# Altium PCB mdriver_power.PcbDoc (part 2 of 5) (continued)
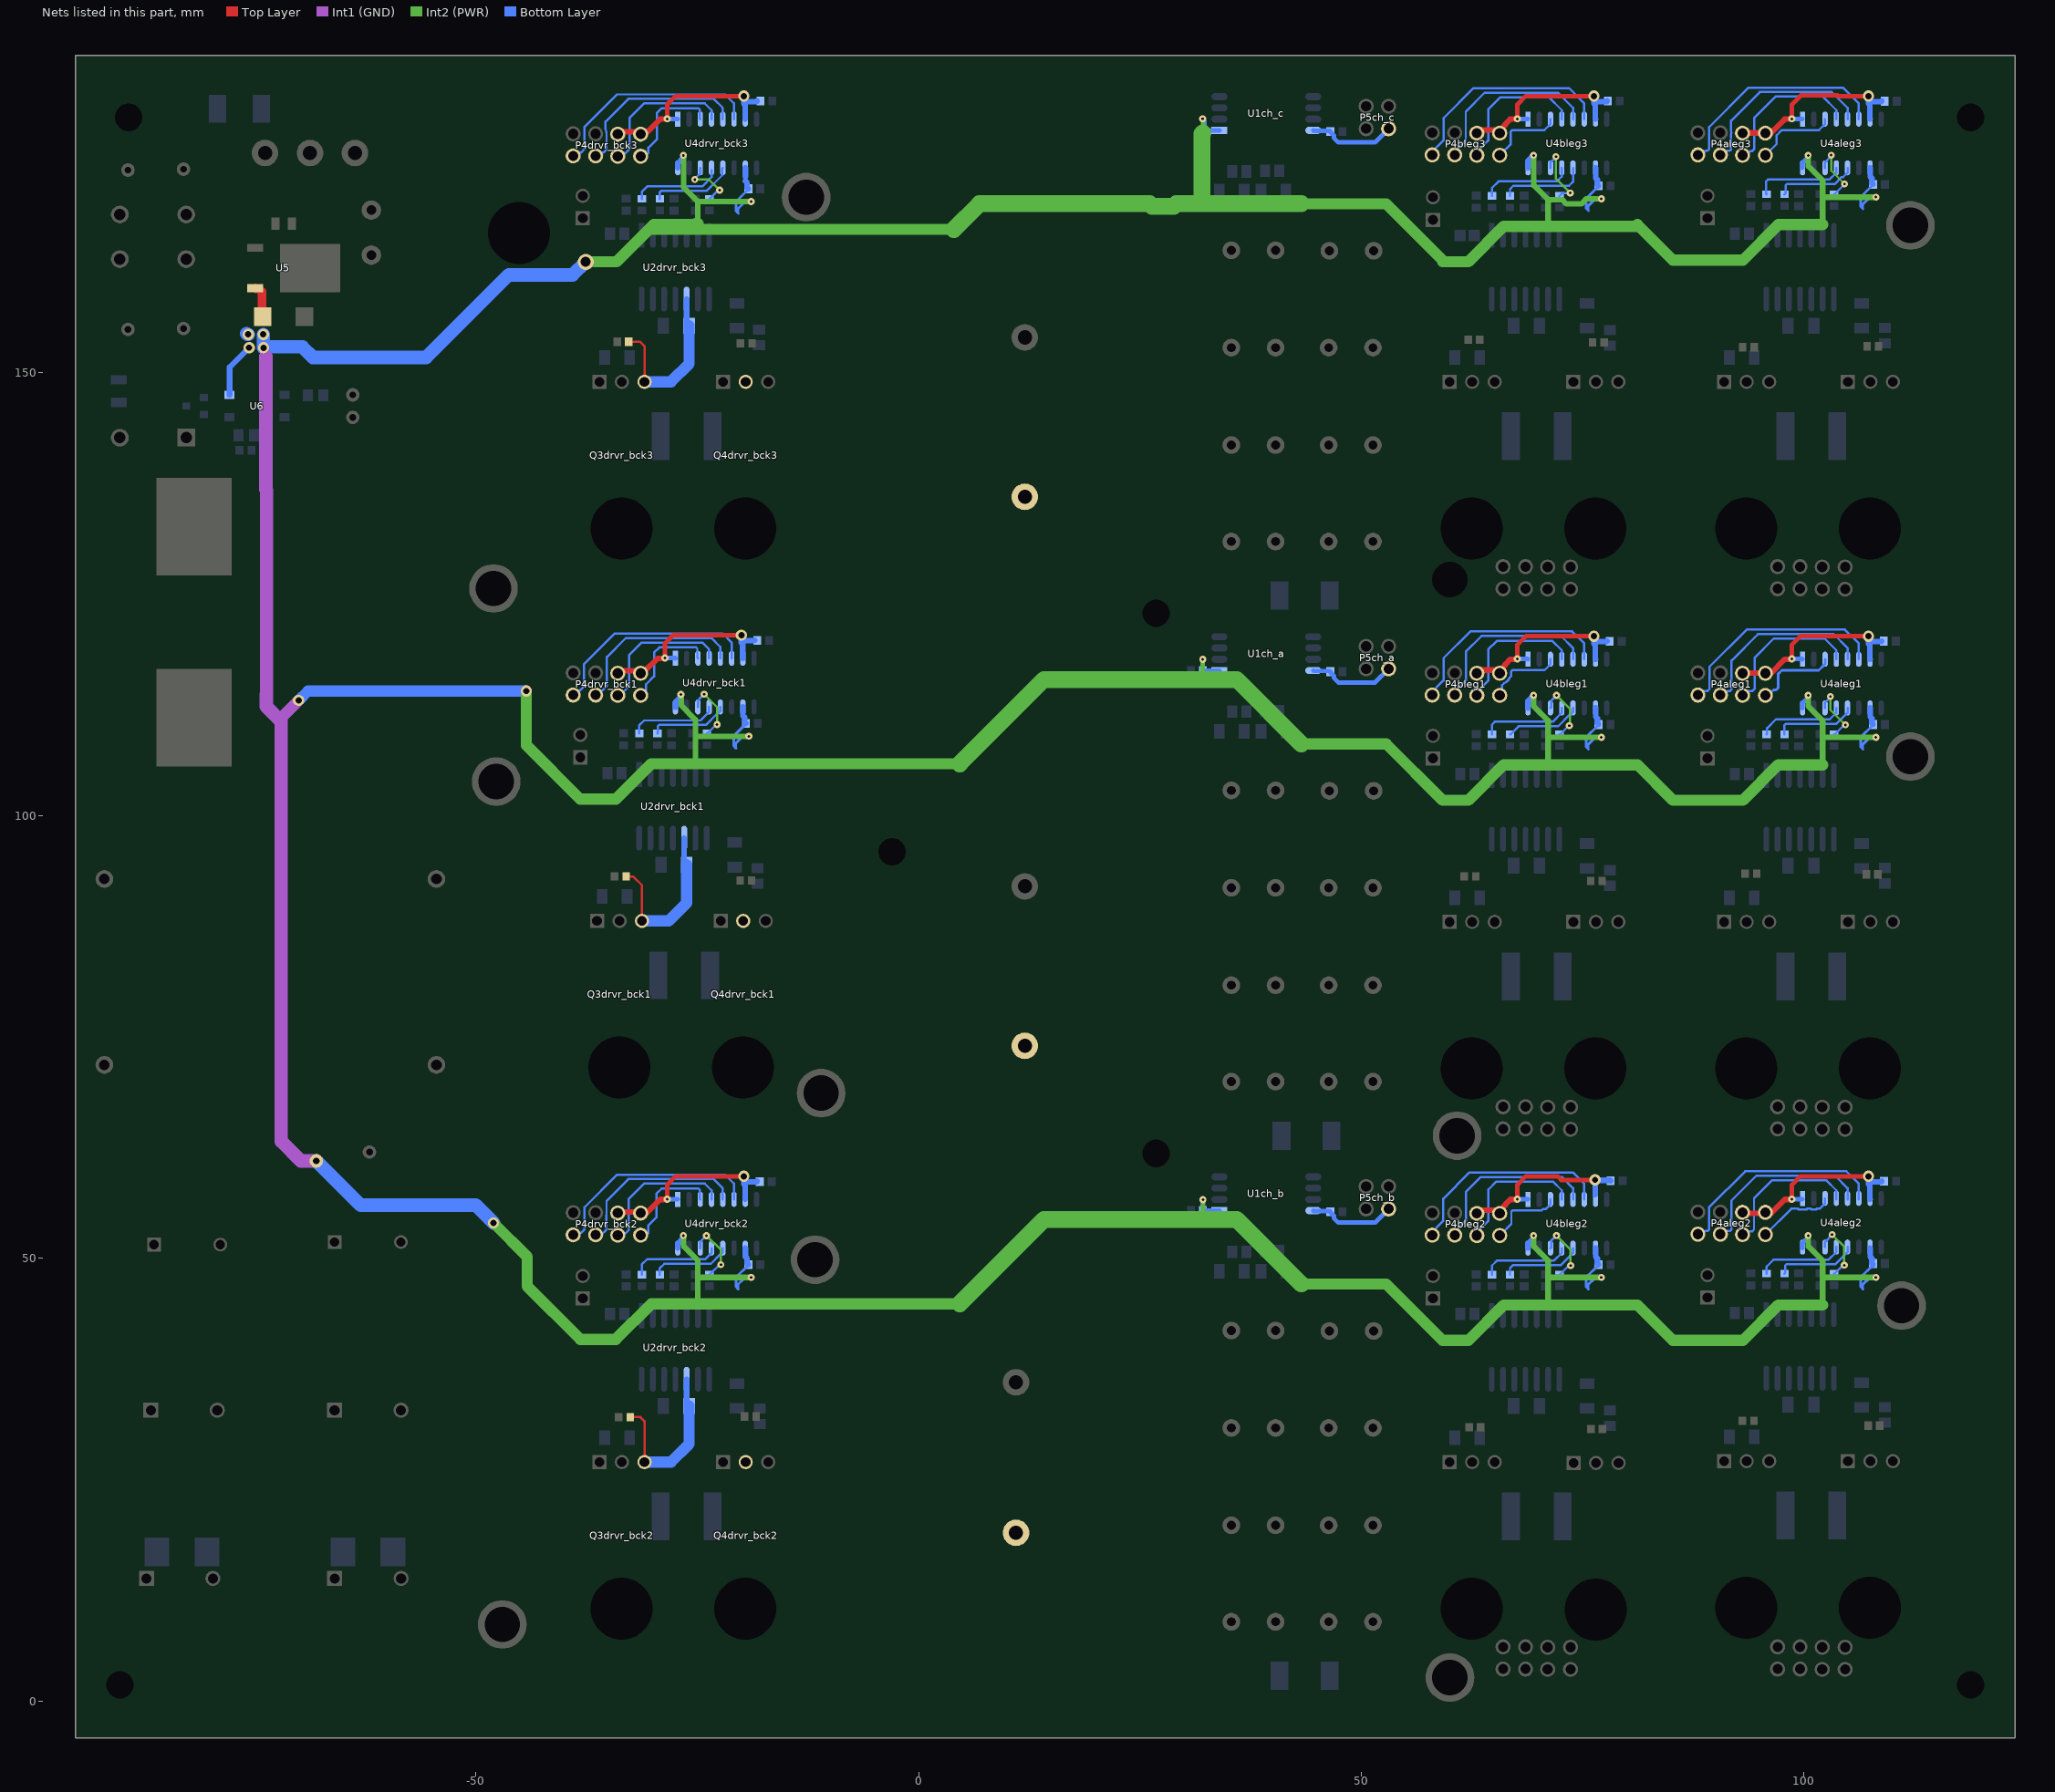
[diagram p4: the nets of this part, all layers, seen from the top]
## Nets (pads, with @x,y where several pads share a name; then routed paths per layer and width w, separated by ;. In a path a pad name is that pad's centre, name@x,y a point inside that pad or via, vN(x,y) a via of type N, cw(c..) or ccw(c..) an arc to the next point about the centre after c; other vN are vias at no path point)
+3.3_ext_aleg1: caleg1.1 P4aleg1.2 P4aleg1.4 U4aleg1.1 U4aleg1.7 | length 21.6
  Top Layer w0.508: v2(98.621,117.681) 98.621,119.31 99.565,120.254 v1(107.267,120.254)
  Top Layer w0.635: P4aleg1.4@93.68,116.09 96.26,116.09 97.819,117.649 98.589,117.649 v2(98.621,117.681)
  Bottom Layer w0.508: v2(98.621,117.681) 99.789,117.681 U4aleg1.1@99.816,117.654
  Bottom Layer w0.635: v1(107.267,120.254) 107.331,120.19 v1@107.331,119.637 ; U4aleg1.7@107.436,117.654 107.418,117.671 107.418,119.251 107.267,119.402 107.267,119.574 v1@107.331,119.637 ; caleg1.1@108.751,119.701 108.688,119.637 v1@107.331,119.637
+3.3_ext_aleg2: caleg2.1 P4aleg2.2 P4aleg2.4 U4aleg2.1 U4aleg2.7 | length 21.6
  Top Layer w0.508: v2(98.621,56.681) 98.621,58.31 99.565,59.254 v1(107.267,59.254)
  Top Layer w0.635: P4aleg2.4@93.68,55.09 96.26,55.09 97.819,56.649 98.589,56.649 v2(98.621,56.681)
  Bottom Layer w0.508: v2(98.621,56.681) 99.789,56.681 U4aleg2.1@99.816,56.654
  Bottom Layer w0.635: v1(107.267,59.254) 107.331,59.19 v1@107.331,58.637 ; U4aleg2.7@107.436,56.654 107.418,56.671 107.418,58.251 107.267,58.402 107.267,58.574 v1@107.331,58.637 ; caleg2.1@108.751,58.701 108.688,58.637 v1@107.331,58.637
+3.3_ext_aleg3: caleg3.1 P4aleg3.2 P4aleg3.4 U4aleg3.1 U4aleg3.7 | length 21.7
  Top Layer w0.508: v2(98.621,178.681) 98.621,180.31 99.637,181.326 103.775,181.326 103.847,181.254 v1(107.267,181.254)
  Top Layer w0.635: P4aleg3.4@93.68,177.09 96.26,177.09 97.819,178.649 98.589,178.649 v2(98.621,178.681)
  Bottom Layer w0.508: v2(98.621,178.681) 99.789,178.681 U4aleg3.1@99.816,178.654
  Bottom Layer w0.635: v1(107.267,181.254) 107.331,181.19 v1@107.331,180.637 ; U4aleg3.7@107.436,178.654 107.418,178.671 107.418,180.251 107.267,180.402 107.267,180.574 v1@107.331,180.637 ; caleg3.1@108.751,180.701 108.688,180.637 v1@107.331,180.637
+3.3_ext_bleg1: cbleg1.1 P4bleg1.2 P4bleg1.4 U4bleg1.1 U4bleg1.7 | length 21.2
  Top Layer w0.508: v2(67.621,117.681) 67.621,119.31 68.565,120.254 v1(76.267,120.254)
  Top Layer w0.635: P4bleg1.4@63.062,116.432 P4bleg1.2@65.642,116.432 ; P4bleg1.2@65.81,116.342 65.81,116.583 66.238,117.011 66.238,117.068 66.819,117.649 67.589,117.649 v2(67.621,117.681)
  Bottom Layer w0.508: v2(67.621,117.681) 68.789,117.681 U4bleg1.1@68.816,117.654
  Bottom Layer w0.635: v1(76.267,120.254) 76.331,120.19 v1@76.331,119.637 ; U4bleg1.7@76.436,117.654 76.418,117.671 76.418,119.251 76.267,119.402 76.267,119.574 v1@76.331,119.637 ; cbleg1.1@77.751,119.701 77.688,119.637 v1@76.331,119.637
+3.3_ext_bleg2: cbleg2.1 P4bleg2.2 P4bleg2.4 U4bleg2.1 U4bleg2.7 | length 20.7
  Top Layer w0.508: v2(67.621,56.681) 67.621,58.31 68.565,59.254 72.174,59.254 72.573,58.855 v1(76.388,58.855)
  Top Layer w0.635: P4bleg2.4@63.062,55.432 P4bleg2.2@65.642,55.432 ; P4bleg2.2@65.81,55.342 65.81,55.583 66.238,56.011 66.238,56.068 66.819,56.649 67.589,56.649 v2(67.621,56.681)
  Bottom Layer w0.508: v2(67.621,56.681) 68.789,56.681 U4bleg2.1@68.816,56.654
  Bottom Layer w0.635: v1(76.388,58.855) v1@76.419,58.824 ; U4bleg2.7@76.419,57.184 v1@76.419,58.824 ; cbleg2.1@78.148,58.757 78.099,58.806 76.437,58.806 v1@76.419,58.824
+3.3_ext_bleg3: cbleg3.1 P4bleg3.2 P4bleg3.4 U4bleg3.1 U4bleg3.7 | length 21.2
  Top Layer w0.508: v2(67.621,178.681) 67.621,180.31 68.565,181.254 v1(76.267,181.254)
  Top Layer w0.635: P4bleg3.4@63.062,177.432 P4bleg3.2@65.642,177.432 ; P4bleg3.2@65.81,177.342 65.81,177.583 66.238,178.011 66.238,178.068 66.819,178.649 67.589,178.649 v2(67.621,178.681)
  Bottom Layer w0.508: v2(67.621,178.681) 68.789,178.681 U4bleg3.1@68.816,178.654
  Bottom Layer w0.635: v1(76.267,181.254) 76.331,181.19 v1@76.331,180.637 ; U4bleg3.7@76.436,178.654 76.418,178.671 76.418,180.251 76.267,180.402 76.267,180.574 v1@76.331,180.637 ; cbleg3.1@77.751,180.701 77.688,180.637 v1@76.331,180.637
+3.3_ext_drvr_bck1: cdrvr_bck1.1 P4drvr_bck1.2 P4drvr_bck1.4 U4drvr_bck1.1 U4drvr_bck1.7 | length 21
  Top Layer w0.508: v2(-28.652,117.793) -28.652,119.422 -27.708,120.366 v1(-20.006,120.366)
  Top Layer w0.635: P4drvr_bck1.4@-33.69,116.302 -33.65,116.342 P4drvr_bck1.2@-31.73,116.342 ; P4drvr_bck1.2@-31.013,116.202 -29.454,117.761 -28.684,117.761 v2(-28.652,117.793)
  Bottom Layer w0.508: v2(-28.652,117.793) -27.484,117.793 U4drvr_bck1.1@-27.457,117.766
  Bottom Layer w0.635: v1(-20.006,120.366) -19.943,120.302 v1@-19.943,119.749 ; U4drvr_bck1.7@-19.837,117.766 -19.855,117.783 -19.855,119.363 -20.006,119.514 -20.006,119.686 v1@-19.943,119.749 ; cdrvr_bck1.1@-18.522,119.813 -18.586,119.749 v1@-19.943,119.749
+3.3_ext_drvr_bck2: cdrvr_bck2.1 P4drvr_bck2.2 P4drvr_bck2.4 U4drvr_bck2.1 U4drvr_bck2.7 | length 21
  Top Layer w0.508: v2(-28.379,56.681) -28.379,58.31 -27.435,59.254 v1(-19.733,59.254)
  Top Layer w0.635: P4drvr_bck2.4@-33.417,55.19 -33.377,55.23 P4drvr_bck2.2@-31.457,55.23 ; P4drvr_bck2.2@-30.74,55.09 -29.181,56.649 -28.411,56.649 v2(-28.379,56.681)
  Bottom Layer w0.508: v2(-28.379,56.681) -27.211,56.681 U4drvr_bck2.1@-27.184,56.654
  Bottom Layer w0.635: v1(-19.733,59.254) -19.67,59.19 v1@-19.67,58.637 ; U4drvr_bck2.7@-19.564,56.654 -19.582,56.671 -19.582,58.251 -19.733,58.402 -19.733,58.574 v1@-19.67,58.637 ; cdrvr_bck2.1@-18.249,58.701 -18.313,58.637 v1@-19.67,58.637
+3.3_ext_drvr_bck3: cdrvr_bck3.1 P4drvr_bck3.2 P4drvr_bck3.4 U4drvr_bck3.1 U4drvr_bck3.7 | length 21
  Top Layer w0.508: v2(-28.379,178.681) -28.379,180.31 -27.435,181.254 v1(-19.733,181.254)
  Top Layer w0.635: P4drvr_bck3.4@-33.417,177.19 -33.377,177.23 P4drvr_bck3.2@-31.457,177.23 ; P4drvr_bck3.2@-30.74,177.09 -29.181,178.649 -28.411,178.649 v2(-28.379,178.681)
  Bottom Layer w0.508: v2(-28.379,178.681) -27.211,178.681 U4drvr_bck3.1@-27.184,178.654
  Bottom Layer w0.635: v1(-19.733,181.254) -19.67,181.19 v1@-19.67,180.637 ; U4drvr_bck3.7@-19.564,178.654 -19.582,178.671 -19.582,180.251 -19.733,180.402 -19.733,180.574 v1@-19.67,180.637 ; cdrvr_bck3.1@-18.249,180.701 -18.313,180.637 v1@-19.67,180.637
+5_ext_ch_a: C23ch_a.2 P5ch_a.3 U1ch_a.8 | length 10
  Bottom Layer w0.508: U1ch_a.8@44.569,116.384 44.625,116.328 46.431,116.328 C23ch_a.2@46.502,116.257 46.502,116.207 46.894,115.815 46.894,115.547 47.409,115.032 51.54,115.032 P5ch_a.3@53.146,116.638
+5_ext_ch_b: C23ch_b.2 P5ch_b.3 U1ch_b.8 | length 10
  Bottom Layer w0.508: U1ch_b.8@44.569,55.384 44.625,55.328 46.431,55.328 C23ch_b.2@46.502,55.257 46.502,55.207 46.894,54.815 46.894,54.547 47.409,54.032 51.54,54.032 P5ch_b.3@53.146,55.638
+5_ext_ch_c: C23ch_c.2 P5ch_c.3 U1ch_c.8 | length 10
  Bottom Layer w0.508: U1ch_c.8@44.569,177.384 44.625,177.328 46.431,177.328 C23ch_c.2@46.502,177.257 46.502,177.207 46.894,176.815 46.894,176.547 47.409,176.032 51.54,176.032 P5ch_c.3@53.146,177.638
+5P: C21aleg1.1 C21aleg2.1 C21aleg3.1 C21bleg1.1 C21bleg2.1 C21bleg3.1 C21drvr_bck1.1 C21drvr_bck2.1 C21drvr_bck3.1 C22ch_a.1 C22ch_b.1 C22ch_c.1 C24.2 U1ch_a.1 U1ch_b.1 U1ch_c.1 U4aleg1.10 U4aleg1.16 U4aleg2.10 U4aleg2.16 U4aleg3.10 U4aleg3.16 U4bleg1.10 U4bleg1.16 U4bleg2.10 U4bleg2.16 U4bleg3.10 U4bleg3.16 U4drvr_bck1.10 U4drvr_bck1.16 U4drvr_bck2.10 U4drvr_bck2.16 U4drvr_bck3.10 U4drvr_bck3.16 U5.3 U6.4 W4.1 | length 939.1
  Top Layer w1: U5.3@-74.892,159.562 -74.842,159.512 -74.492,159.512 -74.138,159.158 -74.138,156.436 C24.2@-74.052,156.35
  Int1 (GND) w1.27: -72,111 v1(-70,113)
  Int1 (GND) w1.524: -73.69,151.842 -73.69,136.842 -73.619,136.771 -73.619,113.716 -73.651,113.684 -73.651,112.316 -71.968,110.633 -71.968,63.219 -69.749,61 W4.1@-68,61
  Int2 (PWR) w0.508: 31.81,54.368 32.107,54.665 v2(32.107,56.625) ; 31.81,115.368 32.094,115.652 v2(32.094,117.644) ; 32.1,177.1 v2@32.1,178.607
  Int2 (PWR) w0.635: v2(-26.827,113.678) -26.795,113.646 -26.795,112.447 -25.19,110.842 -25.19,108.842 ; v2(-26.554,52.566) -26.522,52.534 -26.522,51.335 -24.917,49.73 -24.917,47.73 ; v2(-26.554,174.566) -26.522,174.534 -26.522,170.928 -24.997,169.403 ; -25.19,105.842 -25.19,108.842 ; -24.917,44.73 -24.917,44.842 -24.917,47.73 ; -24.917,166.73 -24.917,166.842 -24.917,169.334 ; -24.805,169.334 v2(-18.896,169.334) ; v2(-19.169,108.954) -25.078,108.954 -25.19,108.842 ; v2(-18.896,47.842) -24.805,47.842 -24.917,47.73 ; v2(69.446,52.566) 69.478,52.534 69.478,51.335 71.083,49.73 71.083,47.73 ; v2(69.446,113.566) 69.478,113.534 69.478,112.335 71.083,110.73 71.083,108.73 ; v2(69.446,174.566) 69.478,174.534 69.478,171.157 71.083,169.552 ; 71.083,44.73 71.083,47.73 ; 71.083,105.73 71.083,108.73 ; 71.083,166.552 71.083,169.552 ; v2(77.104,47.842) 71.195,47.842 71.083,47.73 ; v2(77.104,108.842) 71.195,108.842 71.083,108.73 ; v2(77.104,169.664) 75.404,169.664 74.82,169.08 73.164,169.08 72.692,169.552 71.083,169.552 ; v2(100.446,52.566) 100.478,52.534 100.478,51.335 102.083,49.73 102.083,47.73 ; v2(100.446,113.566) 100.478,113.534 100.478,112.335 102.083,110.73 102.083,108.73 ; v2(100.446,174.566) 100.478,174.534 100.478,173.335 102.083,171.73 102.083,169.73 ; 102.083,44.73 102.083,47.73 ; 102.083,105.73 102.083,108.73 ; 102.083,166.73 102.083,169.73 ; v2(108.104,47.842) 102.195,47.842 102.083,47.73 ; v2(108.104,108.842) 102.195,108.842 102.083,108.73 ; v2(108.104,169.842) 102.195,169.842 102.083,169.73
  Int2 (PWR) w1.27: v1@-47.921,53.921 -44.19,50.19 -44.19,46.842 -38.19,40.842 -34.19,40.842 -30.19,44.842 -24.917,44.842 4.631,44.842 ; v1(-44.3,114.059) -44.3,107.952 -38.19,101.842 -34.19,101.842 -30.19,105.842 -25.19,105.842 4.631,105.842 ; v7(-37.59,162.542) -34.105,162.542 -30.444,166.203 ; -25.19,166.842 -24.917,166.842 ; -24.917,166.73 -29.917,166.73 -30.444,166.203 ; 3.992,166.203 -30.444,166.203 ; 43.214,47.092 52.81,47.092 59.172,40.73 62.083,40.73 66.083,44.73 71.083,44.73 81.172,44.73 85.172,40.73 93.083,40.73 97.083,44.73 102.083,44.73 ; 43.214,108.092 52.81,108.092 59.172,101.73 62.083,101.73 66.083,105.73 71.083,105.73 81.172,105.73 85.172,101.73 93.083,101.73 97.083,105.73 102.083,105.73 ; 43.214,169.092 52.81,169.092 59.172,162.73 ; 59.172,162.552 62.083,162.552 66.083,166.552 71.083,166.552 81.172,166.552 ; 81.172,166.73 85.172,162.73 93.083,162.73 97.083,166.73 102.083,166.73
  Int2 (PWR) w1.905: 3.992,166.203 6.881,169.092 26.098,169.092 26.396,168.793 28.804,168.793 29.102,169.092 32,169.092 ; 4.631,44.842 14.157,54.368 31.81,54.368 35.938,54.368 43.214,47.092 ; 4.631,105.842 14.157,115.368 31.81,115.368 35.938,115.368 43.214,108.092 ; 32.1,177.1 32,177 32,169.092 ; 43.214,169.092 32,169.092
  Bottom Layer w0.254: -76.79,151.842 -75.79,152.842 v1(-75.59,152.842)
  Bottom Layer w0.305: -20.88,107.875 -20.88,108.966 -19.496,110.35 C21drvr_bck1.1@-19.496,110.4 ; -20.739,107.734 -20.626,107.621 ; -20.661,107.811 -20.661,108.144 -19.946,108.859 -19.264,108.859 v2(-19.169,108.954) ; -20.607,46.763 -20.607,47.854 -19.223,49.238 C21drvr_bck2.1@-19.223,49.288 ; -20.607,168.255 -20.607,169.346 -19.223,170.73 C21drvr_bck3.1@-19.223,170.78 ; -20.466,46.622 -20.353,46.509 ; -20.466,168.114 -20.353,168.001 ; -20.388,46.699 -20.388,47.032 -19.673,47.747 -18.991,47.747 v2(-18.896,47.842) ; -20.388,168.191 -20.388,168.524 -19.673,169.239 -18.991,169.239 v2(-18.896,169.334) ; 75.393,46.763 75.393,47.854 76.777,49.238 C21bleg2.1@76.777,49.286 C21bleg2.1@76.777,49.288 ; 75.393,107.763 75.393,108.854 76.777,110.238 C21bleg1.1@76.777,110.288 ; 75.393,168.585 75.393,169.676 76.777,171.06 C21bleg3.1@76.777,171.11 ; 75.534,46.622 75.647,46.509 ; 75.534,107.622 75.647,107.509 ; 75.534,168.444 75.647,168.331 ; 75.612,46.699 75.612,47.032 76.327,47.747 77.009,47.747 v2(77.104,47.842) ; 75.612,107.699 75.612,108.032 76.327,108.747 77.009,108.747 v2(77.104,108.842) ; 75.612,168.522 75.612,168.854 76.327,169.569 77.009,169.569 v2(77.104,169.664) ; 106.393,46.763 106.393,47.854 107.777,49.238 C21aleg2.1@107.777,49.288 ; 106.393,107.763 106.393,108.854 107.777,110.238 C21aleg1.1@107.777,110.288 ; 106.393,168.763 106.393,169.854 107.777,171.238 C21aleg3.1@107.777,171.288 ; 106.534,46.622 106.647,46.509 ; 106.534,107.622 106.647,107.509 ; 106.534,168.622 106.647,168.509 ; 106.612,46.699 106.612,47.032 107.327,47.747 108.009,47.747 v2(108.104,47.842) ; 106.612,107.699 106.612,108.032 107.327,108.747 108.009,108.747 v2(108.104,108.842) ; 106.612,168.699 106.612,169.032 107.327,169.747 108.009,169.747 v2(108.104,169.842)
  Bottom Layer w0.508: v2(32.084,178.693) 32.084,178.614 32.31,178.388 C22ch_c.1@32.31,177.31 ; v2(32.094,117.644) 32.099,117.639 32.099,116.389 C22ch_a.1@32.104,116.384 U1ch_a.1@33.969,116.384 ; v2(32.107,56.625) 32.105,56.623 32.105,55.385 C22ch_b.1@32.104,55.384 U1ch_b.1@33.969,55.384 ; C22ch_c.1@32.314,177.384 U1ch_c.1@33.969,177.384 ; U4aleg2.16@99.816,51.154 99.816,51.729 100.39,52.303 100.39,52.51 v2(100.446,52.566) ; U4aleg1.16@99.816,112.154 99.816,112.729 100.39,113.303 100.39,113.51 v2(100.446,113.566) ; U4aleg3.16@99.816,173.154 99.816,173.729 100.39,174.303 100.39,174.51 v2(100.446,174.566)
  Bottom Layer w0.635: U6.4@-77.8,147.512 -77.8,147.532 -77.79,147.542 -77.79,150.642 v1(-75.59,152.842) ; U4drvr_bck1.16@-27.457,112.266 -27.457,112.781 -26.858,113.38 -26.858,113.646 v2(-26.827,113.678) ; U4drvr_bck2.16@-27.184,51.154 -27.184,51.669 -26.585,52.268 -26.585,52.534 v2(-26.554,52.566) ; U4drvr_bck3.16@-27.184,173.154 -27.184,173.669 -26.585,174.268 -26.585,174.534 v2(-26.554,174.566) ; U4drvr_bck1.10@-19.837,112.266 -19.82,112.248 -19.82,111.284 -19.629,111.093 -19.629,110.532 C21drvr_bck1.1@-19.496,110.4 ; U4drvr_bck2.10@-19.564,51.154 -19.547,51.136 -19.547,50.172 -19.356,49.981 -19.356,49.42 C21drvr_bck2.1@-19.223,49.288 ; U4drvr_bck3.10@-19.564,173.154 -19.547,173.136 -19.547,172.172 ; -19.547,171.664 -19.356,171.473 -19.356,170.912 C21drvr_bck3.1@-19.223,170.78 ; U4bleg2.16@68.816,51.152 68.816,51.667 69.415,52.266 69.415,52.534 v2(69.446,52.566) ; U4bleg1.16@68.816,112.154 68.816,112.935 v2(69.446,113.566) ; U4bleg3.16@68.816,173.154 68.816,173.935 v2(69.446,174.566) ; U4bleg2.10@76.436,51.154 76.454,51.136 76.454,50.172 76.644,49.981 76.644,49.42 C21bleg2.1@76.777,49.288 ; U4bleg1.10@76.436,112.154 76.454,112.136 76.454,111.172 76.644,110.981 76.644,110.42 C21bleg1.1@76.777,110.288 ; U4bleg3.10@76.436,173.154 76.454,173.136 76.454,172.172 ; 76.454,171.994 76.644,171.803 76.644,171.243 C21bleg3.1@76.777,171.11 ; U4aleg2.10@107.436,51.154 107.454,51.136 107.454,50.172 107.644,49.981 107.644,49.42 C21aleg2.1@107.777,49.288 ; U4aleg1.10@107.436,112.154 107.454,112.136 107.454,111.172 107.644,110.981 107.644,110.42 C21aleg1.1@107.777,110.288 ; U4aleg3.10@107.436,173.154 107.454,173.136 107.454,172.172 107.644,171.981 107.644,171.42 C21aleg3.1@107.777,171.288
  Bottom Layer w1.27: v1(-70,113) -68.941,114.059 v1(-44.3,114.059)
  Bottom Layer w1.524: v1@-75.89,154.442 -75.79,154.342 v1(-75.69,154.342) ; v1(-73.99,154.342) -73.99,152.867 v1(-73.955,152.832) -73.845,152.942 -69.59,152.942 -68.39,151.742 -55.59,151.742 -46.265,161.067 -39.065,161.067 v7(-37.59,162.542) ; W4.1@-68,61 -63,56 -50,56 v1(-48,54)
buck_en_aleg1: P4aleg1.1 U4aleg1.3 | length 9.7
  Bottom Layer w0.305: P4aleg1.1@95.62,113.572 95.95,113.572 96.558,114.18 96.827,114.18 97.043,114.395 97.043,115.97 97.47,116.398 101.65,116.398 102.356,117.104 U4aleg1.3@102.356,117.654
buck_en_aleg2: P4aleg2.1 U4aleg2.3 | length 8.9
  Bottom Layer w0.254: P4aleg2.1@95.62,52.684 98.54,55.604 99.29,55.604 99.358,55.535 100.274,55.535 100.342,55.604 100.735,55.604 100.804,55.535 101.368,55.535 101.437,55.604 101.744,55.604 102.356,56.216 U4aleg2.3@102.356,56.766
buck_en_aleg3: P4aleg3.1 U4aleg3.3 | length 9.3
  Bottom Layer w0.254: P4aleg3.1@95.62,174.572 96.89,175.842 96.89,176.828 97.479,177.417 101.669,177.417 102.356,178.104 U4aleg3.3@102.356,178.654
buck_en_bleg1: P4bleg1.1 U4bleg1.3 | length 8.6
  Bottom Layer w0.254: P4bleg1.1@65.62,113.572 65.863,113.815 65.863,114.699 66.105,114.941 ccw(c65.62,116.072) 66.751,115.587 66.916,115.752 66.916,116.274 66.991,116.349 67.065,116.423 70.675,116.423 71.356,117.104 U4bleg1.3@71.356,117.654
buck_en_bleg2: P4bleg2.1 U4bleg2.3 | length 8.6
  Bottom Layer w0.254: P4bleg2.1@65.62,52.57 66.939,53.888 66.939,55.272 67.088,55.421 70.368,55.421 70.495,55.548 70.802,55.548 71.356,56.102 U4bleg2.3@71.356,56.652
buck_en_bleg3: P4bleg3.1 U4bleg3.3 | length 8.6
  Bottom Layer w0.254: P4bleg3.1@65.62,174.572 66.872,175.824 66.872,177.268 67.021,177.417 70.669,177.417 71.356,178.104 U4bleg3.3@71.356,178.654
buck_en_drvr_bck1: P4drvr_bck1.1 U4drvr_bck1.3 | length 11.5
  Bottom Layer w0.254: P4drvr_bck1.1@-31.553,113.702 P4drvr_bck1.1@-31.31,113.945 ; P4drvr_bck1.1@-30.77,113.945 -30.77,114.829 -29.87,115.729 -29.87,118.401 -29.274,118.997 -25.132,118.997 -24.983,118.848 -24.983,117.832 U4drvr_bck1.3@-24.917,117.766
buck_en_drvr_bck2: P4drvr_bck2.1 U4drvr_bck2.3 | length 11.5
  Bottom Layer w0.254: P4drvr_bck2.1@-31.28,52.59 P4drvr_bck2.1@-31.037,52.833 ; -30.497,52.833 -30.497,53.717 -29.597,54.617 -29.597,57.289 -29.001,57.885 -24.859,57.885 -24.71,57.736 -24.71,56.72 U4drvr_bck2.3@-24.644,56.654
buck_en_drvr_bck3: P4drvr_bck3.1 U4drvr_bck3.3 | length 11.5
  Bottom Layer w0.254: P4drvr_bck3.1@-31.28,174.59 P4drvr_bck3.1@-31.037,174.833 ; -30.497,174.833 -30.497,175.427 -29.517,176.407 -29.517,179.369 -29.001,179.885 -24.859,179.885 -24.71,179.736 -24.71,178.72 U4drvr_bck3.3@-24.644,178.654
buck_en_pwr_aleg1: R10aleg1.2 U4aleg1.14 | length 7.2
  Int2 (PWR) w0.254: v2(102.961,113.444) 102.961,111.943 v2(104.66,110.243)
  Bottom Layer w0.254: U4aleg1.14@102.356,112.154 102.356,112.772 102.961,113.376 v2(102.961,113.444) ; R10aleg1.2@103.372,109.16 103.422,109.16 104.4,110.138 104.556,110.138 v2(104.66,110.243)
buck_en_pwr_aleg2: R10aleg2.2 U4aleg2.14 | length 7.3
  Int2 (PWR) w0.254: v2(103.158,52.679) 104.524,51.312 v2(104.524,49.22)
  Bottom Layer w0.254: U4aleg2.14@102.356,51.266 102.356,51.846 103.158,52.648 v2(103.158,52.679) ; R10aleg2.2@103.372,48.272 103.422,48.272 104.266,49.116 104.419,49.116 v2(104.524,49.22)
buck_en_pwr_aleg3: R10aleg3.2 U4aleg3.14 | length 7.3
  Int2 (PWR) w0.254: v2(103.059,174.58) 103.059,172.828 v2(104.558,171.329)
  Bottom Layer w0.254: U4aleg3.14@102.356,173.154 102.356,173.79 103.059,174.494 v2(103.059,174.58) ; R10aleg3.2@103.372,170.16 103.422,170.16 104.558,171.296 v2(104.558,171.329)
buck_en_pwr_bleg1: R10bleg1.2 U4bleg1.14 | length 7.3
  Int2 (PWR) w0.254: v2(72.03,113.583) 73.541,112.072 73.541,110.196 v2(73.493,110.148)
  Bottom Layer w0.254: U4bleg1.14@71.356,112.154 71.422,112.22 71.422,112.975 v2(72.03,113.583) ; R10bleg1.2@72.372,109.16 72.422,109.16 73.41,110.148 v2(73.493,110.148)
buck_en_pwr_bleg2: R10bleg2.2 U4bleg2.14 | length 7.4
  Int2 (PWR) w0.254: v2(72.025,52.569) 73.63,50.965 v2(73.63,49.177)
  Bottom Layer w0.254: U4bleg2.14@71.356,51.152 71.422,51.218 71.422,51.966 v2(72.025,52.569) ; R10bleg2.2@72.372,48.158 72.422,48.158 73.337,49.073 73.525,49.073 v2(73.63,49.177)
buck_en_pwr_bleg3: R10bleg3.2 U4bleg3.14 | length 7.7
  Int2 (PWR) w0.254: v2(71.966,174.421) 71.966,171.932 v2(73.592,170.306)
  Bottom Layer w0.254: U4bleg3.14@71.356,173.154 71.356,173.757 71.966,174.368 v2(71.966,174.421) ; R10bleg3.2@72.372,169.982 72.67,170.28 72.843,170.28 72.869,170.306 v2(73.592,170.306)
buck_en_pwr_drvr_bck1: R10drvr_bck1.2 U4drvr_bck1.14 | length 7.3
  Int2 (PWR) w0.254: v2(-24.223,113.699) -22.747,112.223 v2(-22.747,110.277)
  Bottom Layer w0.254: U4drvr_bck1.14@-24.917,112.266 -24.917,112.91 -24.775,113.052 -24.775,113.146 v2(-24.223,113.699) ; R10drvr_bck1.2@-23.901,109.272 -23.851,109.272 -22.846,110.277 v2(-22.747,110.277)
buck_en_pwr_drvr_bck2: R10drvr_bck2.2 U4drvr_bck2.14 | length 7.4
  Int2 (PWR) w0.254: v2(-23.949,52.56) -22.323,50.935 v2(-22.323,49.284)
  Bottom Layer w0.254: U4drvr_bck2.14@-24.644,51.154 -24.644,51.798 -24.501,51.941 -24.501,52.008 v2(-23.949,52.56) ; R10drvr_bck2.2@-23.628,48.16 -23.578,48.16 -22.454,49.284 v2(-22.323,49.284)
buck_en_pwr_drvr_bck3: R10drvr_bck3.2 U4drvr_bck3.14 | length 6.4
  Int2 (PWR) w0.254: v2(-25.269,171.835) -23.669,171.835 v2(-22.471,170.636)
  Bottom Layer w0.254: v2(-25.269,171.835) -25.269,171.907 -24.644,172.532 U4drvr_bck3.14@-24.644,173.154 ; R10drvr_bck3.2@-23.628,169.652 -23.578,169.652 -22.594,170.636 v2(-22.471,170.636)
buck_h_aleg1: P4aleg1.3 U4aleg1.4 | length 16.4
  Bottom Layer w0.254: P4aleg1.3@93.68,113.59 93.68,113.909 93.817,114.045 94.135,114.045 94.421,114.331 94.421,115.793 cw(c95.62,116.072) 94.421,116.351 94.421,117.847 96.563,119.989 102.307,119.989 103.626,118.67 U4aleg1.4@103.626,117.654
buck_h_aleg2: P4aleg2.3 U4aleg2.4 | length 16.3
  Bottom Layer w0.254: P4aleg2.3@93.68,52.59 93.68,52.896 93.829,53.045 94.135,53.045 94.337,53.247 94.337,56.763 96.387,58.813 102.483,58.813 103.626,57.67 U4aleg2.4@103.626,56.654
buck_h_aleg3: P4aleg3.3 U4aleg3.4 | length 16.3
  Bottom Layer w0.254: P4aleg3.3@93.68,174.821 93.905,175.045 94.135,175.045 94.344,175.254 94.344,178.77 96.773,181.199 102.097,181.199 103.626,179.67 U4aleg3.4@103.626,178.654
buck_h_bleg1: P4bleg1.3 U4bleg1.4 | length 16
  Bottom Layer w0.254: P4bleg1.3@62.68,113.59 64.33,115.24 64.33,118.756 65.295,119.721 71.575,119.721 72.626,118.67 U4bleg1.4@72.626,117.654
buck_h_bleg2: P4bleg2.3 U4bleg2.4 | length 16
  Bottom Layer w0.254: P4bleg2.3@62.68,52.59 64.353,54.263 64.353,57.779 65.25,58.676 71.62,58.676 72.626,57.67 U4bleg2.4@72.626,56.654
buck_h_bleg3: P4bleg3.3 U4bleg3.4 | length 16.3
  Bottom Layer w0.254: P4bleg3.3@62.68,174.59 64.333,176.243 64.333,179.759 65.707,181.133 71.163,181.133 72.626,179.67 U4bleg3.4@72.626,178.654
buck_h_drvr_bck1: P4drvr_bck1.3 U4drvr_bck1.4 | length 15.8
  Bottom Layer w0.254: P4drvr_bck1.3@-33.593,113.702 -32.671,114.624 -32.671,118.14 -31.267,119.544 -24.409,119.544 -23.647,118.782 U4drvr_bck1.4@-23.647,117.766
buck_h_drvr_bck2: P4drvr_bck2.3 U4drvr_bck2.4 | length 15.8
  Bottom Layer w0.254: P4drvr_bck2.3@-33.32,52.59 -33.32,52.709 -33.207,52.821 -33.089,52.821 -32.713,53.197 -32.713,56.713 -30.994,58.432 -24.136,58.432 -23.374,57.67 U4drvr_bck2.4@-23.374,56.654
buck_h_drvr_bck3: P4drvr_bck3.3 U4drvr_bck3.4 | length 15.8
  Bottom Layer w0.254: P4drvr_bck3.3@-33.32,174.59 -33.32,174.709 -33.207,174.821 -33.089,174.821 -32.639,175.271 -32.639,178.787 -30.994,180.432 -24.136,180.432 -23.374,179.67 U4drvr_bck3.4@-23.374,178.654
buck_h_pwr_aleg1: R6aleg1.1 U4aleg1.13 | length 9.8
  Bottom Layer w0.254: R6aleg1.1@95.752,109.16 95.817,109.225 95.817,109.879 96.808,110.87 102.892,110.87 103.626,111.604 U4aleg1.13@103.626,112.154
buck_h_pwr_aleg2: R6aleg2.1 U4aleg2.13 | length 9.9
  Bottom Layer w0.254: R6aleg2.1@95.752,48.272 95.752,49.058 96.528,49.834 102.744,49.834 103.626,50.716 U4aleg2.13@103.626,51.266
buck_h_pwr_aleg3: R6aleg3.1 U4aleg3.13 | length 10.4
  Bottom Layer w0.254: R6aleg3.1@95.752,170.16 95.69,170.222 95.69,171.605 95.915,171.83 102.852,171.83 103.626,172.604 U4aleg3.13@103.626,173.154
buck_h_pwr_bleg1: R6bleg1.1 U4bleg1.13 | length 10.1
  Bottom Layer w0.254: R6bleg1.1@64.752,109.16 64.753,110.26 65.083,110.591 71.614,110.591 72.626,111.602 U4bleg1.13@72.626,112.154
buck_h_pwr_bleg2: R6bleg2.1 U4bleg2.13 | length 10
  Bottom Layer w0.254: R6bleg2.1@64.752,48.158 64.752,49.173 65.337,49.758 71.782,49.758 72.626,50.602 U4bleg2.13@72.626,51.152
buck_h_pwr_bleg3: R6bleg3.1 U4bleg3.13 | length 10.3
  Bottom Layer w0.254: R6bleg3.1@64.752,169.982 64.752,170.889 65.489,171.627 72.093,171.627 72.621,172.154 72.621,173.149 U4bleg3.13@72.626,173.154
buck_h_pwr_drvr_bck1: R6drvr_bck1.1 U4drvr_bck1.13 | length 10
  Bottom Layer w0.254: R6drvr_bck1.1@-31.521,109.272 -31.564,109.315 -31.564,110.159 -30.98,110.743 -24.62,110.743 -23.647,111.716 U4drvr_bck1.13@-23.647,112.266
buck_h_pwr_drvr_bck2: R6drvr_bck2.1 U4drvr_bck2.13 | length 10.1
  Bottom Layer w0.254: R6drvr_bck2.1@-31.248,48.16 -31.248,49.286 -30.624,49.91 -24.068,49.91 -23.374,50.604 U4drvr_bck2.13@-23.374,51.154
buck_h_pwr_drvr_bck3: R6drvr_bck3.1 U4drvr_bck3.13 | length 10.1
  Bottom Layer w0.254: R6drvr_bck3.1@-31.248,169.652 -31.248,170.444 -30.643,171.049 -24.421,171.049 -23.374,172.096 U4drvr_bck3.13@-23.374,172.879
buck_in_ch_a: C9drvr_bck1.1 L1_ch_a.1 Q3drvr_bck1.3 Q4drvr_bck1.1 R17drvr_bck1.2 U2drvr_bck1.10 | length 19.5
  Top Layer w0.254: R17drvr_bck1.2@-33.021,93.124 -32.223,93.124 -31.223,92.124 Q3drvr_bck1.3@-31.223,88.098
  Bottom Layer w0.635: U2drvr_bck1.10@-26.463,97.446 -26.463,94.73 C9drvr_bck1.1@-26.181,94.448
  Bottom Layer w1.27: Q3drvr_bck1.3@-31.223,88.098 -28.226,88.098 -26.181,90.143 C9drvr_bck1.1@-26.181,94.448
buck_in_ch_b: C9drvr_bck2.1 L1_ch_b.1 Q3drvr_bck2.3 Q4drvr_bck2.1 R17drvr_bck2.2 U2drvr_bck2.10 | length 19.7
  Top Layer w0.254: R17drvr_bck2.2@-32.564,32.062 -31.411,32.062 -30.95,31.602 Q3drvr_bck2.3@-30.95,26.986
  Bottom Layer w0.635: U2drvr_bck2.10@-26.19,36.334 -26.19,33.618 C9drvr_bck2.1@-25.908,33.336
  Bottom Layer w1.27: Q3drvr_bck2.3@-30.95,26.986 -27.953,26.986 -25.908,29.031 C9drvr_bck2.1@-25.908,33.336
buck_in_ch_c: C9drvr_bck3.1 L1_ch_c.1 Q3drvr_bck3.3 Q4drvr_bck3.1 R17drvr_bck3.2 U2drvr_bck3.10 | length 19.3
  Top Layer w0.254: R17drvr_bck3.2@-32.729,153.516 -31.453,153.516 -30.95,153.014 Q3drvr_bck3.3@-30.95,148.986
  Bottom Layer w0.635: U2drvr_bck3.10@-26.19,158.334 -26.19,155.618 C9drvr_bck3.1@-25.908,155.336
  Bottom Layer w1.27: Q3drvr_bck3.3@-30.95,148.986 -27.953,148.986 -25.908,151.031 C9drvr_bck3.1@-25.908,155.336
buck_l_aleg1: P4aleg1.5 U4aleg1.5 | length 20.3
  Bottom Layer w0.254: P4aleg1.5@91.18,113.861 91.405,114.085 91.635,114.085 91.795,114.245 91.795,117.507 94.785,120.497 103.323,120.497 104.896,118.924 U4aleg1.5@104.896,117.654
buck_l_aleg2: P4aleg2.5 U4aleg2.5 | length 20.4
  Bottom Layer w0.254: P4aleg2.5@91.18,52.63 91.18,52.936 91.329,53.085 91.635,53.085 91.787,53.237 91.787,56.499 94.609,59.321 103.499,59.321 104.896,57.924 U4aleg2.5@104.896,56.654
buck_l_aleg3: P4aleg3.5 U4aleg3.5 | length 20.7
  Bottom Layer w0.254: P4aleg3.5@91.18,174.63 91.18,174.949 91.317,175.085 91.607,175.085 91.682,175.16 91.756,175.234 91.756,176.922 ccw(c90.54,177.112) 91.756,177.302 91.756,178.468 94.995,181.707 103.113,181.707 104.896,179.924 U4aleg3.5@104.896,178.654
buck_l_bleg1: P4bleg1.5 U4bleg1.5 | length 20.2
  Bottom Layer w0.254: P4bleg1.5@60.18,113.63 61.793,115.243 61.793,118.505 63.581,120.293 72.527,120.293 73.896,118.924 U4bleg1.5@73.896,117.654
buck_l_bleg2: P4bleg2.5 U4bleg2.5 | length 20.1
  Bottom Layer w0.254: P4bleg2.5@60.18,52.63 61.796,54.246 61.796,57.508 63.472,59.184 72.636,59.184 73.896,57.924 U4bleg2.5@73.896,56.654
buck_l_bleg3: P4bleg3.5 U4bleg3.5 | length 20.5
  Bottom Layer w0.254: P4bleg3.5@60.18,174.63 61.791,176.241 61.791,179.503 63.929,181.641 72.179,181.641 73.896,179.924 U4bleg3.5@73.896,178.654
buck_l_drvr_bck1: P4drvr_bck1.5 U4drvr_bck1.5 | length 19.9
  Bottom Layer w0.254: P4drvr_bck1.5@-36.093,113.742 -35.186,114.649 -35.186,115.958 cw(c-33.96,116.072) -35.186,116.186 -35.186,117.911 -33.045,120.052 -23.393,120.052 -22.377,119.036 U4drvr_bck1.5@-22.377,117.766
buck_l_drvr_bck2: P4drvr_bck2.5 U4drvr_bck2.5 | length 19.9
  Bottom Layer w0.254: P4drvr_bck2.5@-35.82,52.63 -35.268,53.182 -35.268,54.693 ccw(c-36.46,55) -35.229,55 -35.229,56.483 -32.772,58.94 -23.12,58.94 -22.104,57.924 U4drvr_bck2.5@-22.104,56.654
buck_l_drvr_bck3: P4drvr_bck3.5 U4drvr_bck3.5 | length 20.1
  Bottom Layer w0.254: P4drvr_bck3.5@-35.82,174.63 -35.82,174.749 -35.707,174.861 -35.589,174.861 -35.229,175.221 -35.229,177 ccw(c-36.46,177) -35.346,177.525 -35.346,178.366 -32.772,180.94 -23.12,180.94 -22.104,179.924 U4drvr_bck3.5@-22.104,178.654
buck_l_pwr_aleg1: R7aleg1.1 U4aleg1.12 | length 9.3
  Bottom Layer w0.254: R7aleg1.1@97.784,109.16 97.784,110.213 97.933,110.362 103.654,110.362 104.896,111.604 U4aleg1.12@104.896,112.154
buck_l_pwr_aleg2: R7aleg2.1 U4aleg2.12 | length 9.2
  Bottom Layer w0.254: R7aleg2.1@97.784,48.272 97.849,48.337 97.849,49.177 97.998,49.326 103.506,49.326 104.896,50.716 U4aleg2.12@104.896,51.266
buck_l_pwr_aleg3: R7aleg3.1 U4aleg3.12 | length 9.2
  Bottom Layer w0.254: R7aleg3.1@97.784,170.16 97.9,170.276 97.9,171.173 98.049,171.322 103.447,171.322 104.234,172.11 104.402,172.11 104.896,172.604 U4aleg3.12@104.896,173.154
buck_l_pwr_bleg1: R7bleg1.1 U4bleg1.12 | length 8.6
  Bottom Layer w0.254: R7bleg1.1@66.784,109.16 66.834,109.16 67.757,110.083 72.22,110.083 73.591,111.454 73.652,111.454 73.896,111.698 U4bleg1.12@73.896,112.154
buck_l_pwr_bleg2: R7bleg2.1 U4bleg2.12 | length 9.1
  Bottom Layer w0.254: R7bleg2.1@66.784,48.158 66.784,48.893 67.14,49.25 72.544,49.25 73.896,50.602 U4bleg2.12@73.896,51.152
buck_l_pwr_bleg3: R7bleg3.1 U4bleg3.12 | length 9.8
  Bottom Layer w0.254: R7bleg3.1@66.784,169.982 66.784,170.737 67.166,171.119 73.44,171.119 73.896,171.575 U4bleg3.12@73.896,173.154
buck_l_pwr_drvr_bck1: R7drvr_bck1.1 U4drvr_bck1.12 | length 9.1
  Bottom Layer w0.254: R7drvr_bck1.1@-29.489,109.272 -29.439,109.322 -29.439,110.086 -29.29,110.235 -24.02,110.235 -22.686,111.57 -22.617,111.57 -22.377,111.81 U4drvr_bck1.12@-22.377,112.266
buck_l_pwr_drvr_bck2: R7drvr_bck2.1 U4drvr_bck2.12 | length 9
  Bottom Layer w0.254: R7drvr_bck2.1@-29.216,48.16 -29.216,48.88 -28.719,49.377 -23.461,49.377 -22.397,50.441 -22.36,50.441 -22.104,50.698 U4drvr_bck2.12@-22.104,51.154
buck_l_pwr_drvr_bck3: R7drvr_bck3.1 U4drvr_bck3.12 | length 9.5
  Bottom Layer w0.254: R7drvr_bck3.1@-29.216,169.652 -29.216,170.392 -29.067,170.541 -23.938,170.541 -22.17,172.308 -22.17,173.088 U4drvr_bck3.12@-22.104,173.154
buck_state_aleg1: P4aleg1.7 U4aleg1.6 | length 24.7
  Bottom Layer w0.254: P4aleg1.7@88.64,113.63 88.64,113.949 88.777,114.085 89.095,114.085 89.312,114.302 89.312,116.02 cw(c90.54,116.112) 89.312,116.204 89.312,116.802 93.515,121.005 104.593,121.005 106.166,119.432 U4aleg1.6@106.166,117.654
buck_state_aleg2: P4aleg2.7 U4aleg2.6 | length 24.5
  Bottom Layer w0.254: P4aleg2.7@88.64,52.63 88.64,52.936 88.789,53.085 89.095,53.085 89.286,53.276 89.286,55.776 93.339,59.829 104.769,59.829 106.166,58.432 U4aleg2.6@106.166,56.654
buck_state_aleg3: P4aleg3.7 U4aleg3.6 | length 24.6
  Bottom Layer w0.254: P4aleg3.7@88.64,174.861 88.865,175.085 89.095,175.085 89.273,175.263 89.273,177.763 93.725,182.215 104.383,182.215 106.166,180.432 U4aleg3.6@106.166,178.654
buck_state_bleg1: P4bleg1.7 U4bleg1.6 | length 24.3
  Bottom Layer w0.254: P4bleg1.7@57.64,113.63 59.278,115.268 59.278,117.768 62.311,120.801 73.797,120.801 75.166,119.432 U4bleg1.6@75.166,117.654
buck_state_bleg2: P4bleg2.7 U4bleg2.6 | length 24.2
  Bottom Layer w0.254: P4bleg2.7@57.64,52.63 59.248,54.238 59.248,56.738 62.202,59.692 73.906,59.692 75.166,58.432 U4bleg2.6@75.166,56.654
buck_state_bleg3: P4bleg3.7 U4bleg3.6 | length 24.6
  Bottom Layer w0.254: P4bleg3.7@57.64,174.63 59.307,176.297 59.307,178.797 62.659,182.149 73.449,182.149 75.166,180.432 U4bleg3.6@75.166,178.654
buck_state_drvr_bck1: P4drvr_bck1.7 U4drvr_bck1.6 | length 24
  Bottom Layer w0.254: P4drvr_bck1.7@-38.633,113.742 -37.76,114.615 -37.76,117.115 -34.315,120.56 -22.123,120.56 -21.107,119.544 U4drvr_bck1.6@-21.107,117.766
buck_state_drvr_bck2: P4drvr_bck2.7 U4drvr_bck2.6 | length 24.1
  Bottom Layer w0.254: P4drvr_bck2.7@-38.36,52.63 -38.36,52.749 -38.247,52.861 -38.129,52.861 -37.716,53.274 -37.716,55.774 -34.042,59.448 -21.85,59.448 -20.834,58.432 U4drvr_bck2.6@-20.834,56.654
buck_state_drvr_bck3: P4drvr_bck3.7 U4drvr_bck3.6 | length 24.1
  Bottom Layer w0.254: P4drvr_bck3.7@-38.36,174.63 -38.36,174.749 -38.247,174.861 -38.129,174.861 -37.744,175.246 -37.744,177.746 -34.042,181.448 -21.85,181.448 -20.834,180.432 U4drvr_bck3.6@-20.834,178.654